# Altium PCB myfirst_project.PcbDoc (part 1 of 2) (continued)
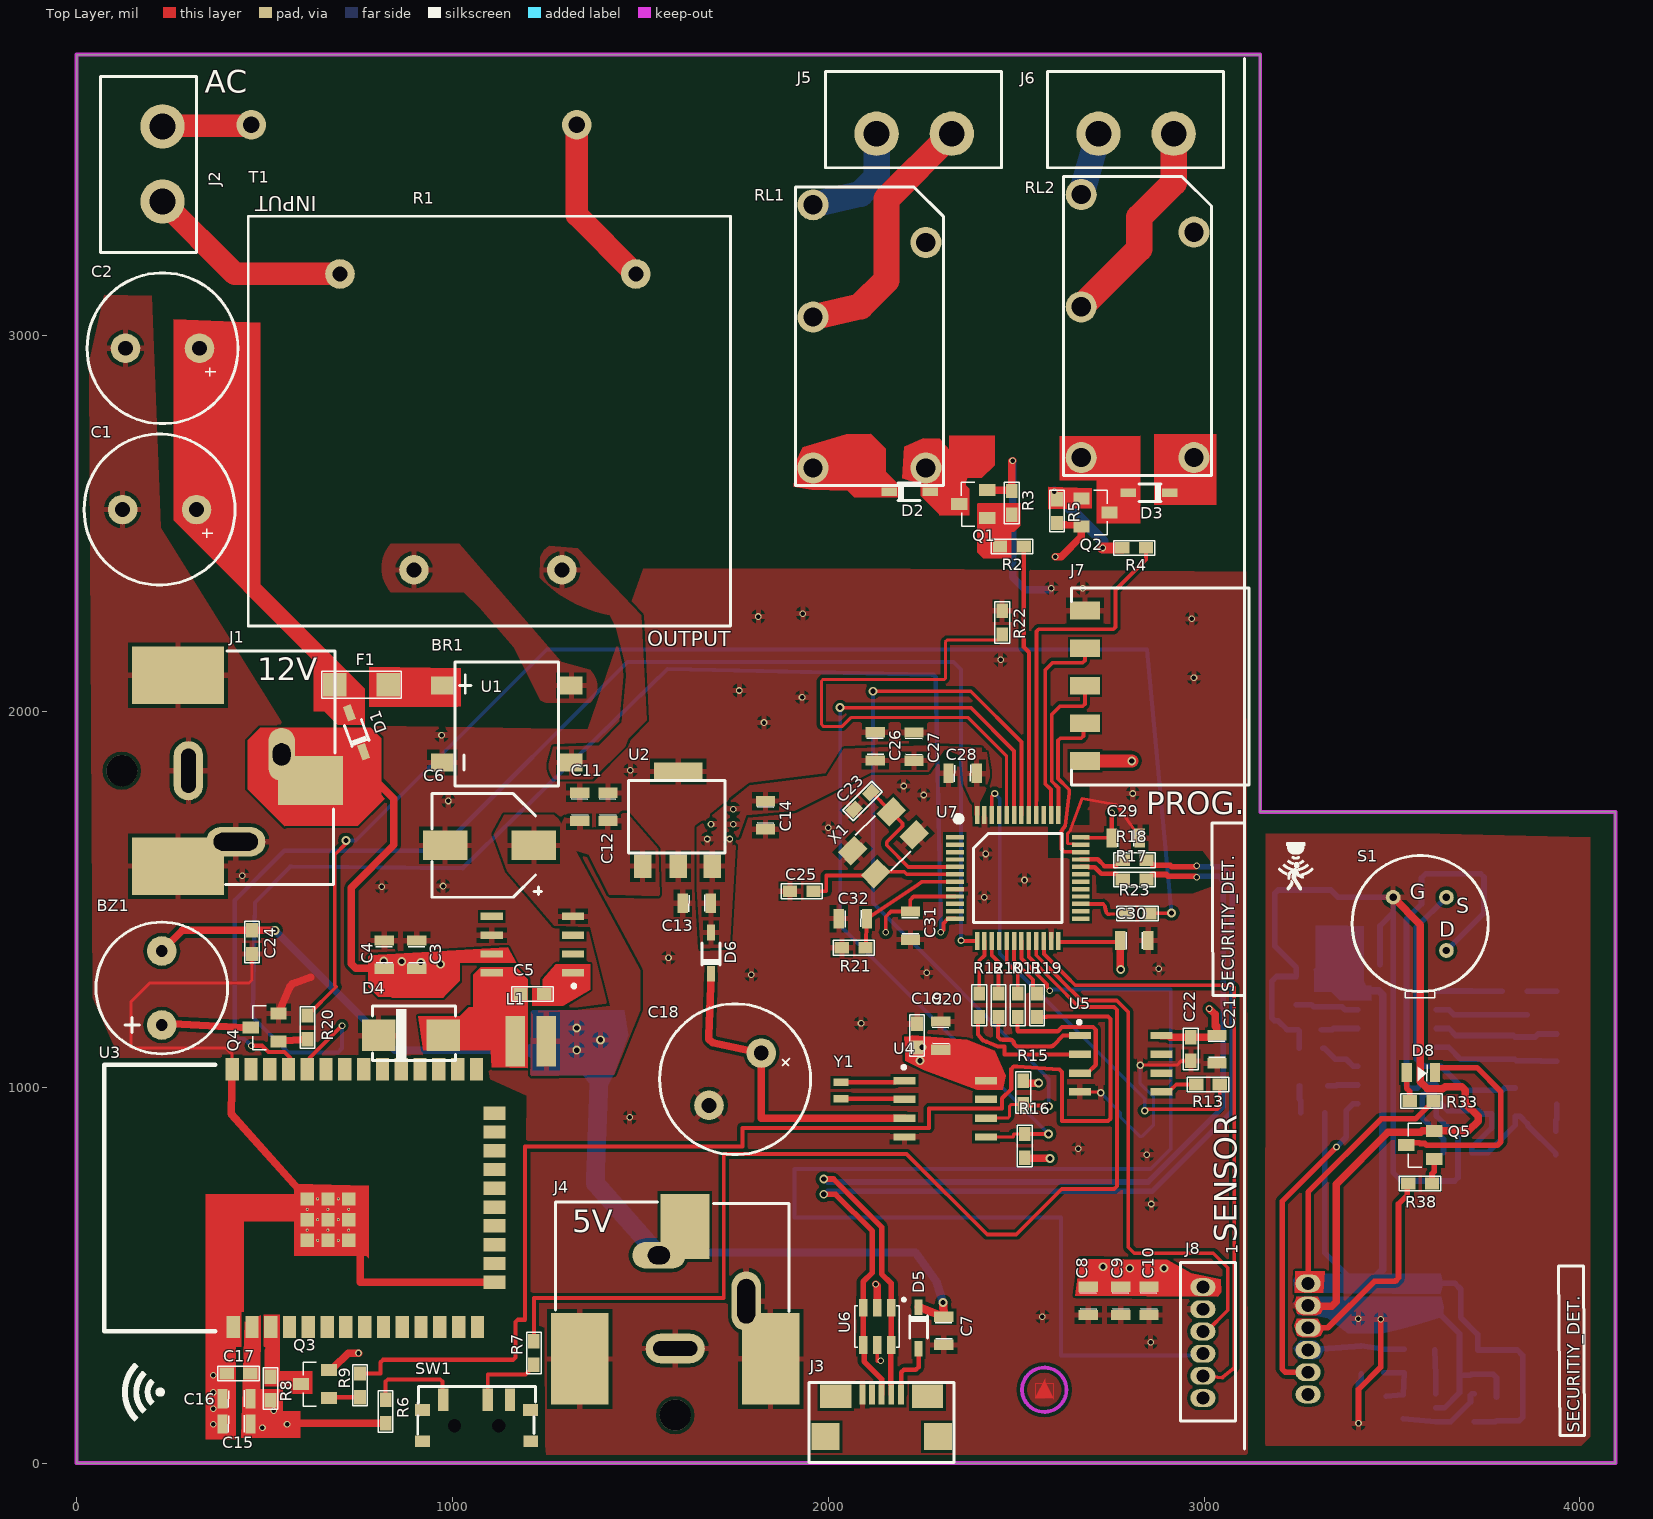
[diagram p0: Top Layer view]
## Components (designator, comment, footprint, x,y, rotation, side; value= is the part's Value field where it differs from the comment)
BR1 "DB105STR" DB105STR 1144.45,1966.34 r90 top
BZ1 "BUZZER" CMI-9605IC 226.72,1263.87 r180 top
C1 "ESH477M050AH4AA" CAP_RADIAL_D10_P5 220.82,2536.9 r90 top
C2 "ESH477M050AH4AA" CAP_RADIAL_D10_P5 228.69,2966.03 r90 top
C3 "CAP CER 1UF 0805" CAP_0805 905.17,1352.86 r270 top
C4 "CAP CF 100NF 0805" CAP_0805 818.55,1352.86 r270 top
C5 "CAP CER 10nF 0603" CAP_0603 1212.6,1248.03 r180 top
C6 "EEV686M035A9HAA" CAP_EEVSERIES 1098.77,1643.2 r180 top
C7 "CAP CER 4.7uF 0805" CAP_0805 2307.43,351.86 r270 top
C8 "CAP CER 4.7uF 0805" CAP_0805 2691.76,431.35 r270 top
C9 "CAP CER 4.7uF 0805" CAP_0805 2778.37,431.35 r270 top
C10 "CAP CER 4.7uF 0805" CAP_0805 2853.18,431.35 r270 top
C11 "CAP CER 1UF 0805" CAP_0805 1338.93,1745.56 r270 top
C12 "CAP CF 100NF 0805" CAP_0805 1413.73,1745.56 r270 top
C13 "CAP CER 1UF 0805" CAP_0805 1650.37,1489.5 r0 top
C14 "CAP CER 4.7uF 0805" CAP_0805 1833.08,1723.85 r90 top
C15 "CAP CER 4.7uF 0805" CAP_0805 425.54,103.83 r180 top
C16 "CAP CER 1UF 0805" CAP_0805 425.54,170.75 r180 top
C17 "CAP CER 100nF 0603" CAP_0603 430.96,238.32 r180 top
C18 "ESH477M050AH4AA" CAP_RADIAL_D10_P5 1752.31,1021.15 r135 top
C19 "CAP CER 100nF 0603" CAP_0603 2236.35,1137.2 r90 top
C20 "CAP CER 1UF 0805" CAP_0805 2299.35,1137.2 r90 top
C21 "CAP CER 1UF 0805" CAP_0805 3034.13,1100.87 r270 top
C22 "CAP CER 100nF 0603" CAP_0603 2964.76,1101.54 r270 top
C23 "CL10C200JB8NNNC" CAP_0603 2091.26,1761.58 r45 top
C24 "CAP CER 100nF 0603" CAP_0603 466.88,1385.92 r270 top
C25 "CL10C200JB8NNNC" CAP_0603 1929.48,1521.15 r0 top
C26 "CAP CER 4.7uF 0805" CAP_0805 2125.02,1906.56 r90 top
C27 "CAP CER 1UF 0805" CAP_0805 2228.07,1906.28 r90 top
C28 "CAP CF 100NF 0805" CAP_0805 2357.38,1835.06 r180 top
C29 "CAP CF 100NF 0805" CAP_0805 2791.68,1662.88 r0 top
C30 "CAP CER 1UF 0805" CAP_0805 2814.16,1390.2 r0 top
C31 "CAP CF 100NF 0805" CAP_0805 2218.54,1430.12 r270 top
C32 "CAP CF 100NF 0805" CAP_0805 2065.83,1448.37 r0 top
C33 "CAP CF 100NF 0805" CAP_0805 3430.63,1326.42 r0 bottom
C34 "CAP CER 1UF 0805" CAP_0805 3430.63,1393.35 r0 bottom
C35 "CAP CER 10nF 0603" CAP_0603 3737.72,1224.06 r90 bottom
C36 "C3216X5R1E336M160AC" CAP_1206 3938.51,1141.38 r90 bottom
C37 "CAP CF 100NF 0805" CAP_0805 3245.12,1257.14 r90 bottom
C38 "CAP CER 4.7uF 0805" CAP_0805 3438.23,440.44 r270 bottom
C39 "CAP CER 4.7uF 0805" CAP_0805 3516.97,440.44 r270 bottom
C40 "CAP CER 4.7uF 0805" CAP_0805 3595.71,440.44 r270 bottom
C41 "CAP CER 10nF 0603" CAP_0603 3796.77,1105.95 r270 bottom
C42 "C3216X5R1E336M160AC" CAP_1206 3938.58,1069.11 r270 bottom
C43 "CAP CF 100NF 0805" CAP_0805 3674.46,826.3 r0 bottom
C44 "CAP CF 100NF 0805" CAP_0805 3828.27,960.28 r270 bottom
C45 "CAP CER 100nF 0603" CAP_0603 3778.16,144.21 r90 bottom
C46 "CAP CER 1UF 0805" CAP_0805 3418.42,274.03 r270 bottom
C47 "CAP CER 4.7uF 0805" CAP_0805 3447.41,177.3 r180 bottom
D1 "1N4148WS" SOD323 744.75,1944.29 r110 top
D2 "1N4148WS" SOD323 2216.88,2584.14 r0 top
D3 "1N4148WS" SOD323 2853.88,2581.8 r180 top
D4 "1SMB5919BT3G" SMB 889.76,1137.79 r0 top
D5 "1N4148WS" SOD323 2240.5,359.73 r270 top
D6 "1N4148WS" SOD323 1688.1,1356.44 r90 top
D7 "LTST-C171GKT" "LED_GREEN_0805 -" 3289.4,1007.93 r180 bottom
D8 "LTST-C171GKT" "LED_GREEN_0805 -" 3575.08,1035.09 r180 top
F1 "FUSE 3413.0216.22" "FUSE 3413.0216.22" 758,2070.9 r180 top
J1 "PJ-037AH-SMT-TR" JACK 297.59,1842.01 r0 top
J2 "'TBP01R1-508-02BE" 'TBP01R1-508 228.69,3456.58 r270 top
J3 "10118192-0001LF" MICRO_B_USB 2142.07,182.57 r0 top
J4 "PJ-037AH-SMT-TR" JACK 1592.86,304.61 r90 top
J5 "'TBP01R1-508-02BE" 'TBP01R1-508 2228.69,3536.9 r180 top
J6 "'TBP01R1-508-02BE" 'TBP01R1-508 2819.24,3536.9 r180 top
J7 "'SMH-105-02-L-S" "PINHEADER 1X5_RA" 2683.09,2068.13 r90 top
J8 "64800611622" 64800611622 2996.87,320.42 r270 top
J9 "64800611622" 64800611622 3276.81,330.2 r270 bottom
L1 "78438335470" IND_1212 1208.66,1122.04 r0 top
Q1 "MMBT3904-7-F" SOT-23F 2386.17,2551.41 r90 top
Q2 "MMBT3904-7-F" SOT-23F 2710.95,2528.83 r270 top
Q3 "MMBT3904-7-F" SOT-23F 634.2,210.12 r90 top
Q4 "MMBT3904-7-F" SOT-23F 500.34,1158.94 r90 top
Q5 "MMBT3904-7-F" SOT-23F 3575.08,846.11 r90 top
R1 "RES_AXIAL_W" RES_AXIAL_W 897.98,3560.52 r0 top
R2 "RES_1KOHM" RES_0603 2488.46,2438.81 r180 top
R3 "RES 10KOHM%1 0603" RES_0603 2488.53,2554.61 r90 top
R4 "RES_1KOHM" RES_0603 2814.16,2434.84 r180 top
R5 "RES 10KOHM%1 0603" RES_0603 2608.59,2532.77 r270 top
R6 "RES_100OHM_0603" RES_0603 822.2,137.03 r270 top
R7 "RES_100OHM_0603" RES_0603 1216.88,292.8 r270 top
R8 "RES_1KOHM" RES_0603 516.09,198.31 r90 top
R9 "RES_100OHM_0603" RES_0603 754.02,206.82 r270 top
R10 "RES_100OHM_0603" RES_0603 2453.1,1218 r90 top
R11 "RES_100OHM_0603" RES_0603 2504.28,1218 r90 top
R12 "RES_100OHM_0603" RES_0603 2401.92,1218 r90 top
R13 "RES_100OHM_0603" RES_0603 3010.48,1007.28 r0 top
R15 "RES_4.7KOHM 0603" RES_0603 2518.88,985.72 r90 top
R16 "RES_4.7KOHM 0603" RES_0603 2522.82,843.98 r270 top
R17 "RES 15 OHM 0603" RES_0603 2815.3,1552.64 r0 top
R18 "RES 15 OHM 0603" RES_0603 2815.3,1603.83 r0 top
R19 "RES_100OHM_0603" RES_0603 2555.46,1218 r270 top
R20 "RES_100OHM_0603" RES_0603 614.52,1158.94 r270 top
R21 "RES_100OHM_0603" RES_0603 2067.82,1370.92 r0 top
R22 "RES_100OHM_0603" RES_0603 2462.64,2236.24 r270 top
R23 "RES_100OHM_0603" RES_0603 2823.18,1462.09 r0 top
R24 "RC0402JR-0710KL" RES_0603 3792.84,1224.06 r90 bottom
R25 "RC0603JR-07220KL" RES_0603 3316.62,1245.22 r270 bottom
R26 "RES 10KOHM%1 0603" RES_0603 3859.77,1224.06 r270 bottom
R27 "RES_1KOHM" RES_0603 3289.24,931.66 r180 bottom
R28 "RC0402JR-0710KL" RES_0603 3855.83,1102.01 r270 bottom
R29 "RES 0OHM 0603" RES_0603 3281.03,1153.2 r180 bottom
R30 "RES 0OHM 0603" RES_0603 3284.96,1103.98 r180 bottom
R31 "RES 10KOHM%1 0603" RES_0603 3936.2,851.31 r270 bottom
R32 "RC0603JR-0743KL" RES_0603 3765.28,960.28 r270 bottom
R33 "RES_100OHM_0603" RES_0603 3578.77,963.21 r180 top
R34 "RC0603JR-07220KL" RES_0603 3532.38,270.8 r90 bottom
R35 "RES_1KOHM" RES_0603 3529.7,149.67 r90 bottom
R36 "RC0603JR-07220KL" RES_0603 3478.86,271.26 r90 bottom
R37 "RES 10KOHM%1 0603" RES_0603 3648.33,233.38 r0 bottom
R38 "RES_1KOHM" RES_0603 3575.08,743.75 r0 top
RL1 "ALQ112" ALQ112 2109.72,2997.76 r90 top
RL2 "ALQ112" ALQ112 2823.18,3025.09 r90 top
RT1 "TFPT1206L1002FM" RES_1206 3670.95,300.74 r180 bottom
S1 "LHI 878/3902" "LHI 878/3902" 3575.08,1435.2 r0 top
SW1 "EG1215AA" EG1215AA 1064.5,99.3 r0 top
T1 "BV302S12010-ZU" BV302S12010-ZU 1094.52,2770.09 r0 top
U1 "LM2675MX-12/NOPB" SOIC8 1212.94,1379.42 r90 top
U2 "AP7361-33E-13" SOT-223 1598.77,1714.06 r0 top
U3 "ESP32-WROOM-32E-N4" ESP32-32E 762.89,704.92 r90 top
U4 "M41T00M6F" SOIC8 2311.37,942.41 r270 top
U5 "MAX662MSA+" SOIC8 2778.2,1062.4 r270 top
U6 "USBLC6-2SC6" SOT-23-6L 2130.26,363.67 r270 top
U7 "STM32F103C6T6A" LQFP_48 2504.28,1556.58 r270 top
U8 "NCS36000DRG" SOIC14 3513.31,1105.95 r180 bottom
U9 "OPA314AIDBVR" SOT23_5 3668.01,146.77 r0 bottom
X1 "ECS-160-20-30B-TR" ECS 2146.87,1650.37 r45 top
Y1 "ABS05-32.768KHZ-T" ABS05 2033.66,991.01 r90 top

## Footprints (in the part's own frame and the unit in brackets; to place one, negate y for a bottom-side part, rotate by r counter-clockwise, add the part's x,y. Pads: shape width x height; smd on the part's side, far side on the other; paste and mask are expansions set on the pad)
64800611622 [mm]
  oval 1.2x1.7 hole 0.87 mask+0.05: 1(-3.75,0) 2(-2.25,0) 3(-0.75,0) 4(0.75,0) 5(2.25,0) 6(3.75,0)
  silkscreen extent -5.4,-1.5 5.3,2.2, body extent -5.3,-1.4 5.2,2.1, height 4.55
'TBP01R1-508 [mm]
  round 3 hole 1.75 mask+0.05: 1(2.54,0) 2(-2.54,0)
  silkscreen extent -5.9,-4.2 6,2.3, body extent -5.84,-9.8 5.92,2.2, height 8.8
ABS05 [mm]
  rect 0.5x1 smd mask+0.05: 1(-0.55,0) 2(0.55,0)
  body extent -0.81,-0.47 0.79,0.53, height 0.5
ALQ112 [mm]
  round 2.1 hole 1.3 mask+0.05: 1(6.35,-3.81) 2(1.3,3.81) 3(8.89,3.81) 4(-8.89,-3.81) 5(-8.89,3.81)
  silkscreen extent -10.09,-4.99 10.1,5.01, body extent -10,-5 10,11.81, height 15.6
BV302S12010-ZU [mm]
  round 2 hole 1 mask+0.05: 1(10,10) 5(-10,10) 7(-5,-10) 9(5,-10)
  silkscreen extent -16.2,-13.8 16.4,13.9, body extent -16.15,-13.75 16.35,13.75, height 21.8
CAP_0603 [mil]
  rect 38x31 smd mask+1.97: 1(-31.5,0) 2(31.5,0)
  silkscreen extent -55,-20 55,20, body extent -41,-22 41,18, height 31
CAP_0805 [mm]
  rect 0.7x1.3 smd mask+0.05: 1(-0.95,0) 2(0.95,0)
  silkscreen extent -0.54,-0.57 0.55,0.57, body extent -1.3,-0.58 1.3,0.78, height 0.9
CAP_1206 [mm]
  rect 0.9x1.6 smd mask+0.05: 1(0,0) 2(2.9,0)
  silkscreen extent 0.59,-0.7 2.3,0.8, body extent -0.53,-0.87 3.42,1.09, height 1.3
CAP_EEVSERIES [mm]
  rect 3x2 smd mask+0.05: 1(-3,0) 2(3,0)
  silkscreen extent -3.5,-3.5 3.9,3.5, body extent -3.6,-3.4 4,3.4, height 8.01
CAP_RADIAL_D10_P5 [mm]
  round 2 hole 1 mask+0.05: 1(0,-2.5) 2(0,2.5)
  silkscreen extent -5.1,-5.1 5.1,5.1, body extent -5.25,-5.25 5.25,5.25, height 22.21
CMI-9605IC [mm]
  round 2 hole 0.8 mask+0.05: 1(0,2.5) 2(0,-2.5)
  silkscreen extent -4.45,-4.45 4.45,4.45, body extent -4.3,-4.3 4.3,4.3, height 5.2
DB105STR [mm]
  rect 1.2x1.52 smd mask+0.05: 1(-2.61,-4.37) 2(2.61,-4.37) 3(2.61,4.37) 4(-2.61,4.37)
  silkscreen extent -4.2,-3.5 4.2,3.5, body extent -4.16,-5.2 4.16,5.2, height 2.66
ECS [mm]
  rect 1.6x1.25 smd mask+0.05: 1(-1.85,-1.1) 2(1.85,-1.1) 3(1.85,1.1) 4(-1.85,1.1)
  silkscreen extent -1,-1.7 0.9,1.7, body extent -2.5,-1.6 2.5,1.6, height 0.85
EG1215AA [mm]
  rect 0.7x1.5 smd mask+0.05: 1(-2.25,1.75) 2(0.75,1.75) 3(2.25,1.75)
  rect 1x0.8 smd mask+0.05: ""(-3.65,-1.05) ""(-3.65,1.05) ""(3.63,1.05) ""(3.65,-1.05)
  round 0 hole 0.9 mask+0.05: ""(-1.5,0) ""(1.5,0)
  silkscreen extent -3.98,-0.56 3.98,2.64, body extent -3.88,-2.71 3.82,2.19, height 1.4
ESP32-32E [mm]
  rect 1.5x0.9 smd mask+0.05: 1(-8.71,8.796) 2(-8.71,7.526) 3(-8.71,6.256) 4(-8.71,4.986) 5(-8.71,3.716) 6(-8.71,2.446) 7(-8.71,1.176) 8(-8.71,-0.094) 9(-8.71,-1.364) 10(-8.71,-2.634) 11(-8.71,-3.904) 12(-8.71,-5.174) 13(-8.71,-6.444) 14(-8.71,-7.714) 25(8.71,-7.645) 26(8.71,-6.375) 27(8.71,-5.105) 28(8.71,-3.835) 29(8.71,-2.565) 30(8.71,-1.295) 31(8.71,-0.025) 32(8.71,1.245) 33(8.71,2.515) 34(8.71,3.785) 35(8.71,5.055) 36(8.71,6.325) 37(8.71,7.595) 38(8.71,8.865)
  rect 0.9x1.5 smd mask+0.05: 15(-5.689,-8.864) 15(-5.689,-8.864) 16(-4.419,-8.864) 17(-3.149,-8.864) 18(-1.879,-8.864) 19(-0.609,-8.864) 20(0.661,-8.864) 21(1.931,-8.864) 22(3.201,-8.864) 23(4.471,-8.864) 24(5.741,-8.864)
  round 0.2 hole 0.1 mask+0.05: 39(-2.86,3.09) 39(-2.86,1.69) 39(-2.16,3.79) 39(-2.16,0.99) 39(-2.16,2.39) 39(-1.46,1.69) 39(-1.46,3.09) 39(-0.76,3.79) 39(-0.76,2.39) 39(-0.76,0.99) 39(-0.06,3.09) 39(-0.06,1.69)
  rect 0.9x0.9 smd mask+0.05: 39(-2.86,3.79) 39(-2.86,3.79) 39(-2.86,0.99) 39(-2.86,2.39) 39(-2.86,2.39) 39(-2.86,2.39) 39(-1.46,2.39) 39(-1.46,2.39) 39(-1.46,2.39) 39(-1.46,3.79) 39(-1.46,3.79) 39(-1.46,0.99) 39(-0.06,3.79) 39(-0.06,3.79) 39(-0.06,2.39) 39(-0.06,2.39) 39(-0.06,2.39) 39(-0.06,0.99)
  silkscreen extent -9,10 9,17.5, body extent -9,-9.17 9,16.33, height 3.45
"FUSE 3413.0216.22" [mm]
  rect 1.6x1.6 smd mask+0.05: 1(-1.8,0) 2(1.8,0)
  silkscreen extent -2.7,-0.9 2.7,0.9, body extent -1.52,-0.8 1.7,0.8, height 0.64
IND_1212 [mm]
  rect 1.3x3.4 smd mask+0.05: 1(-1.05,0) 2(1.05,0)
  body extent -1.5,-1.5 1.5,1.5, height 1.2
JACK [mm]
  oval 1.8x3.6 hole 1.2 slot 1.5 at 90 deg: 1(6.3,1.1)
  rect 4.4x3.3 smd: 1(8.25,-0.65)
  rect 6.2x3.9 smd: 2(-0.7,6.45) 3(-0.7,-6.45)
  oval 2x4 hole 1 slot 3 at 90 deg: 2(0,0)
  oval 4x2 hole 1.2 slot 3 at 0 deg: 3(3.2,-4.8)
  round 2.1 hole 2.1 unplated: ""(-4.5,0)
  silkscreen extent 2.5,-7.7 9.9,8.1, body extent -7.5,-7.5 9.6,7.7, height 11.2
"LED_GREEN_0805 -" [mm]
  rect 0.7x1.3 smd mask+0.05: 1(-1,-0.1) 2(0.9,-0.1)
  silkscreen extent -0.46,-0.62 0.15,0.5, body extent -1.08,-0.71 0.94,0.54, height 1.1
"LHI 878/3902" [mm]
  round 1 hole 0.5 mask+0.05: 1(1.771,-1.818) 2(1.771,1.782) 3(-1.829,1.782)
  silkscreen extent -4.6,-5 4.6,4.6, body extent -4.6,-5.03 4.6,4.6, height 4.6
LQFP_48 [mm] "7mm x7mm"
  rect 0.3x1.2 smd mask+0.05: 1(-2.75,-4.25) 2(-2.25,-4.25) 3(-1.75,-4.25) 4(-1.25,-4.25) 5(-0.75,-4.25) 6(-0.25,-4.25) 7(0.25,-4.25) 8(0.75,-4.25) 9(1.25,-4.25) 10(1.75,-4.25) 11(2.25,-4.25) 12(2.75,-4.25) 25(2.75,4.25) 26(2.25,4.25) 27(1.75,4.25) 28(1.25,4.25) 29(0.75,4.25) 30(0.25,4.25) 31(-0.25,4.25) 32(-0.75,4.25) 33(-1.25,4.25) 34(-1.75,4.25) 35(-2.25,4.25) 36(-2.75,4.25)
  rect 1.2x0.3 smd mask+0.05: 13(4.25,-2.75) 14(4.25,-2.25) 15(4.25,-1.75) 16(4.25,-1.25) 17(4.25,-0.75) 18(4.25,-0.25) 19(4.25,0.25) 20(4.25,0.75) 21(4.25,1.25) 22(4.25,1.75) 23(4.25,2.25) 24(4.25,2.75) 37(-4.25,2.75) 38(-4.25,2.25) 39(-4.25,1.75) 40(-4.25,1.25) 41(-4.25,0.75) 42(-4.25,0.25) 43(-4.25,-0.25) 44(-4.25,-0.75) 45(-4.25,-1.25) 46(-4.25,-1.75) 47(-4.25,-2.25) 47(-4.25,-2.25) 48(-4.25,-2.75)
  silkscreen extent -4.2,-4.2 3,3, body extent -4.45,-4.45 4.55,4.55, height 1.5
MICRO_B_USB [mm]
  rect 0.4x1.35 smd mask+0.05: 1(1.3,0) 2(0.65,0) 3(0,0) 4(-0.65,0) 5(-1.3,0)
  rect 1.9x1.8 smd mask+0.05: ""(-3.8,-2.85) ""(3.8,-2.85)
  rect 2.1x1.6 smd mask+0.05: ""(-3.1,-0.125) ""(3.1,-0.125)
  silkscreen extent -4.9,-4.6 4.9,0.8, body extent -3.96,-5.4 3.96,0.26, height 2.76
"PINHEADER 1X5_RA" [mm]
  rect 1.2x2 smd mask+0.05: 1(-5.08,0) 2(-2.54,0) 3(0,0) 4(2.54,0) 5(5.08,0)
  silkscreen extent -6.7,-11.1 6.6,0.9, body extent -6.6,-11.05 6.6,0.89, height 2.41
RES_0603 [mil]
  rect 38x31 smd mask+1.97: 1(-31.5,0) 2(31.5,0)
  silkscreen extent -55,-20 55,20, body extent -39,-20 39,19, height 17
RES_1206 [mm]
  rect 0.9x1.6 smd mask+0.05: 1(-1.45,0) 2(1.45,0)
  silkscreen extent -0.9,-0.8 0.8,0.8, body extent -1.98,-0.94 1.98,0.94, height 0.55
RES_AXIAL_W [mm]
  round 2 hole 1.1 mask+0.05: 1(-11,0) 2(11,0)
  body extent -11.4,-4 11.4,5, height 5
SMB [mm]
  rect 2.25x2.12 smd mask+0.05: A(2.185,0) C(-2.185,0)
  silkscreen extent -2.6,-1.7 3,2, body extent -2.52,-1.66 2.92,1.9, height 2.44
SOD323 [mm]
  rect 1.05x0.55 smd mask+0.05: 1(-1.4,0) 2(1.4,0)
  silkscreen extent -0.8,-0.6 0.7,0.6, body extent -1.25,-0.62 1.25,0.62, height 1.1
SOIC8 [mm]
  rect 0.5x1.5 smd mask+0.05: 1(-1.905,-2.75) 2(-0.635,-2.75) 3(0.635,-2.75) 4(1.905,-2.75) 5(1.905,2.75) 6(0.635,2.75) 7(-0.635,2.75) 8(-1.905,2.75)
  silkscreen extent -2.9,-2.9 -2.7,-2.7, body extent -2.45,-3 2.45,3, height 1.75
SOIC14 [mm]
  rect 1.18x0.58 smd mask+0.05: 1(-2.66,3.81) 2(-2.66,2.54) 3(-2.66,1.27) 4(-2.66,0) 5(-2.66,-1.27) 6(-2.66,-2.54) 7(-2.66,-3.81) 8(2.66,-3.81) 9(2.66,-2.54) 10(2.66,-1.27) 11(2.66,0) 12(2.66,1.27) 13(2.66,2.54) 14(2.66,3.81)
  silkscreen extent -1.9,-4.3 1.9,4.3, body extent -3,-4.32 3.1,4.32, height 1.75
SOT23_5 [mm]
  rect 1.1x0.6 smd mask+0.05: 1(-1.3,0.95) 2(-1.3,0) 3(-1.3,-0.95) 4(1.3,-0.95) 5(1.3,0.95)
  silkscreen extent -0.7,-1.3 0.7,1.3, body extent -1.4,-1.45 1.4,1.45, height 1.45
SOT-23-6L [mm]
  rect 1.21x0.59 smd mask+0.05: 1(-1.255,0.95) 2(-1.255,0) 3(-1.255,-0.95) 4(1.255,-0.95) 5(1.255,0) 6(1.255,0.95)
  silkscreen extent -1.9,-1.5 1.4,1.9, body extent -1.4,-1.46 1.4,1.46, height 1.4
SOT-23F [mm]
  rect 0.8x1.1 smd mask+0.05: 1(-0.95,-0.945) 2(0.95,-0.945) 3(0,0.945)
  silkscreen extent -1.5,-0.1 1.48,0.81, body extent -1.45,-1.2 1.45,1.2, height 0.91
SOT-223 [mm]
  rect 1.2x1.6 smd mask+0.05: 1(-2.35,-3.2) 2(0.05,-3.2) 3(2.35,-3.2)
  rect 3.3x1.2 smd mask+0.05: 2(0.05,3.2)
  silkscreen extent -3.3,-2.3 3.2,2.6, body extent -3.35,-3.28 3.15,3.68, height 1.67

## Part data
BR1: "Bridge Rect 1PHASE 600V 1A Db-s", Case/package=DB195STR, Manufacturer="Sangdest Microelectronics", Manufacturer Part Number=DB105S, Maxımum Current=1A, Operating Voltage=600V, Supplier Part Number 1=1655-DB105SCT-ND, Category=Uncategorized, ComponentLink1Description=DATASHEET, ComponentLink1URL=https://www.digikey.com/en/products/detail/smc-diode-solutions/DB105S/7244776, Pricing 1="1=0.43000, 10=0.32600, 100=0.20330, 500=0.13910 (USD)", RoHS=No, Stock 1=26309, Supplier 1=Digi-Key, this part is design=alperen
BZ1: "Audio Buzzer Magnetic 3VDC 7VDC 30mA 5VDC 85dB 2600Hz to 2800Hz Through Hole Pin Box", Case/package=CMI-960, Manufacturer="CUI Devices", Manufacturer Part Number=CMI-9605IC-0580T, Supplier Part Number 1=2223-CMI-9605IC-0580T-ND, Category="Audio Products", Pricing 1="1=1.43000, 10=1.19000, 25=1.10160, 50=1.03700, 100=0.97450, 500=0.83848, 1000=0.78382, 5000=0.76810 (USD)", RoHS=No, Stock 1=8015, Supplier 1=Digi-Key, this part is design=alperen
C1 C2 C18: "Cap, 470UF, 50V, Alu Elec, Radial", Capacitance=470uF, Case/package=Radial, Manufacturer=KEMET, Max Operating Temperature=105°C, Min Operating Temperature=-40°C, Supplier Part Number 1=399-15683-ND, Tolerance=20%, Voltage Rating=50V, ComponentLink1Description=https://api.kemet.com/component-edge/download/datasheet/ESH477M050AH4AA.pdf?src-supplier=Digi-Key, ComponentLink1URL=https://api.kemet.com/component-edge/download/datasheet/ESH477M050AH4AA.pdf?src-supplier=Digi-Key, Life (Hours)=2000Hour, Manufacturer Part Number=ESH477M050AH4AA, Mount="Through Hole", Packaging=Bulk, Polarity=Polar, Pricing 1="1=0.73000, 10=0.51800, 50=0.39180, 100=0.34120, 500=0.25276, 1000=0.21485, 2500=0.20222, 5000=0.18958 (USD)", RoHS=Yes, RoHS Compliant=No, Supplier 1=Digi-Key, this part is design=alperen
C3 C11 C13 C16 C20 C21 C27 C30 C34 C46: "CAP CER 1UF 25V X5R 0805", Capacitance=1uF, Case Code (Imperial)=0805, Case Code (Metric)=2012, Dielectric=X5R, Manufacturer=Murata, Manufacturer Part Number=GRM216R61E105KA12D, Max Operating Temperature=85°C, Min Operating Temperature=-55°C, Package Quantity=1, Supplier Part Number 1=490-1700-1-ND, Tolerance=10%, Voltage=25V, Case/package=0805, Category="Ceramic Capacitors", ComponentLink1Description=https://datasheet.ciiva.com/5424/product-5424880.pdf?src-supplier=Mouser, ComponentLink1URL=https://datasheet.ciiva.com/5424/product-5424880.pdf?src-supplier=Mouser, ComponentLink2Description=https://datasheet.ciiva.com/3777/337grm216r61e105ka1223-3777289.pdf?src-supplier=Arrow+Electronics, ComponentLink2URL=https://datasheet.ciiva.com/3777/337grm216r61e105ka1223-3777289.pdf?src-supplier=Arrow+Electronics, ComponentLink3Description=https://datasheet.ciiva.com/11787/0900766b80ef921d-11787891.pdf?src-supplier=Rs, ComponentLink3URL=https://datasheet.ciiva.com/11787/0900766b80ef921d-11787891.pdf?src-supplier=Rs, ComponentLink4Description=https://datasheet.ciiva.com/7719/c02e-7719049.pdf?src-supplier=Element14, ComponentLink4URL=https://datasheet.ciiva.com/7719/c02e-7719049.pdf?src-supplier=Element14, ComponentLink5Description=https://datasheet.ciiva.com/22706/1889704-22706791.pdf?src-supplier=Element14, ComponentLink5URL=https://datasheet.ciiva.com/22706/1889704-22706791.pdf?src-supplier=Element14, ComponentLink6Description=https://datasheet.ciiva.com/138/partnumbering-e-01-138518.pdf?src-supplier=Digi-Key, ComponentLink6URL=https://datasheet.ciiva.com/138/partnumbering-e-01-138518.pdf?src-supplier=Digi-Key, ComponentLink7Description=https://datasheet.ciiva.com/138/partnumbering-e-01-138517.pdf?src-supplier=Digi-Key, ComponentLink7URL=https://datasheet.ciiva.com/138/partnumbering-e-01-138517.pdf?src-supplier=Digi-Key, ComponentLink8Description=https://datasheet.ciiva.com/138/partnumbering-e-01-138519.pdf?src-supplier=Digi-Key, ComponentLink8URL=https://datasheet.ciiva.com/138/partnumbering-e-01-138519.pdf?src-supplier=Digi-Key, ComponentLink9Description=https://datasheet.ciiva.com/2989/product-2989638.pdf?src-supplier=Avnet, ComponentLink9URL=https://datasheet.ciiva.com/2989/product-2989638.pdf?src-supplier=Avnet, Construction=Flat, Depth=1.25mm, Height=0.6mm, Lead Free="Lead Free", Length=2mm, Material=Ceramic, Mount="Surface Mount", Number of Pins=2, Packaging="Tape and Reel", Pricing 1="1=0.38000, 10=0.26600, 50=0.18640, 100=0.15970, 500=0.11980, 1000=0.10116 (USD)", Radiation Hardening=No, Reach SVHC Compliant=Yes, RoHS=Yes, RoHS Compliant=Yes, Series=GRM, Stock 1=601950, Supplier 1=Digi-Key, Termination=SMD/SMT, Thickness=0.028inch, this part is design=alperen, Voltage Rating=25V, Voltage Rating (DC)=25V, Width=1.25mm
C4 C12 C28 C29 C31 C32 C33 C37 C43 C44: "CAP CER 0.1UF 50V X7R 0805", Capacitance=100nF, Case Code (Imperial)=0805, Case Code (Metric)=2012, Dielectric=X7R, Manufacturer=Samsung, Manufacturer Part Number=CL21B104KBCNNNC, Max Operating Temperature=125°C, Min Operating Temperature=-55°C, Supplier Part Number 1=1276-1003-1-ND, Tolerance=10%, Voltage=50V, Case/package=0805, Category="Ceramic Capacitors", ComponentLink1Description=https://datasheet.ciiva.com/25710/cl21b104kbcnnnc-25710182.pdf?src-supplier=Digi-Key, ComponentLink1URL=https://datasheet.ciiva.com/25710/cl21b104kbcnnnc-25710182.pdf?src-supplier=Digi-Key, ComponentLink2Description=https://datasheet.ciiva.com/29199/454152-da-01-en-vs-kondensator-0805-29199814.pdf?src-supplier=Conrad, ComponentLink2URL=https://datasheet.ciiva.com/29199/454152-da-01-en-vs-kondensator-0805-29199814.pdf?src-supplier=Conrad, Construction=Flat, Contact Plating=Tin, Depth=1.25mm, Height=0.85mm, Lead Free="Lead Free", Length=2mm, Material=Ceramic, Mount="Surface Mount", Packaging="Tape and Reel", Pricing 1="1=0.10000, 10=0.04400, 50=0.02400, 100=0.01960, 500=0.01404, 1000=0.01103 (USD)", Radiation Hardening=No, RoHS=Yes, RoHS Compliant=Yes, Series=CL, Stock 1=3449370, Supplier 1=Digi-Key, Thickness=0.037inch, this part is design=alperen, Voltage Rating=50V, Voltage Rating (DC)=50V, Width=0.049inch
C5 C35 C41: "Multilayer Ceramic Capacitor, 0.01 F, 10%, X7R, 16 V, 0603 [1608 Metric] RoHS Compliant: Yes", Capacitance=10nF, Case Code (Imperial)=0603, Case Code (Metric)=1608, Dielectric=X7R, Manufacturer="Walsin Technologies", Manufacturer Part Number=0603B103K160CT, Max Operating Temperature=125°C, Min Operating Temperature=-55°C, Supplier Part Number 1=1292-1384-1-ND, Tolerance=10%, Voltage Rating=16V, Case/package=0603, Category="Ceramic Capacitors", ComponentLink1Description=http://www.farnell.com/datasheets/1958513.pdf?src-supplier=Farnell, ComponentLink1URL=http://www.farnell.com/datasheets/1958513.pdf?src-supplier=Farnell, ComponentLink2Description=http://www.farnell.com/datasheets/1958513.pdf?src-supplier=Element14, ComponentLink2URL=http://www.farnell.com/datasheets/1958513.pdf?src-supplier=Element14, ComponentLink3Description=http://www.passivecomponent.com/wp-content/uploads/2018/10/MLCC.pdf?src-supplier=Digi-Key, ComponentLink3URL=http://www.passivecomponent.com/wp-content/uploads/2018/10/MLCC.pdf?src-supplier=Digi-Key, Depth=0.8mm, Length=1.6mm, Packaging="Tape and Reel", Pricing 1="1=0.10000, 10=0.03300, 50=0.01820, 100=0.01480, 500=0.01060, 1000=0.00833 (USD)", RoHS=Yes, RoHS Compliant=Yes, Stock 1=152993, Supplier 1=Digi-Key, this part is design=alperen, Voltage Rating (DC)=16V
C6: library part "CAP ALU 68uF", "Cap Aluminum Lytic 68uF 35V 20% (6.3 X 7.7mm) SMD 280mA 2000h 105C T/R", Capacitance=68uF, Case/package=Radial, Manufacturer=KEMET, Max Operating Temperature=105°C, Min Operating Temperature=-40°C, Package Quantity=1, Ripple Current=196mA, Supplier Part Number 1=399-6722-1-ND, Tolerance=20%, Voltage Rating=35V, Category="Aluminum Electrolytic Capacitors", ComponentLink1Description=https://datasheet.ciiva.com/5365/kem-a4002-eev-535332-5365784.pdf?src-supplier=Mouser, ComponentLink1URL=https://datasheet.ciiva.com/5365/kem-a4002-eev-535332-5365784.pdf?src-supplier=Mouser, Height - Seated (Max)=0.315inch, Impedance=340mR, Length=7.7mm, Life (Hours)=2000Hour, Manufacturer Part Number=EEV686M035A9HAA, Mount="Surface Mount", Packaging="Tape and Reel", Pricing 1="1=0.67000, 10=0.47200, 50=0.35680, 100=0.31080, 500=0.23024 (USD)", RoHS=Yes, RoHS Compliant=Yes, Series=EEV, Stock 1=4857, Supplier 1=Digi-Key, Termination=SMD/SMT, this part is designed=alperen, Voltage Rating (DC)=35V
C7 C8 C9 C10 C14 C15 C26 C38 C39 C40 C47: "CAP CER 4.7UF 25V X5R 0805", Capacitance=4.7uF, Case Code (Imperial)=0805, Case Code (Metric)=2012, Dielectric=X5R, Manufacturer=Samsung, Manufacturer Part Number=CL21A475KAQNNNE, Max Operating Temperature=85°C, Min Operating Temperature=-55°C, Package Quantity=1, Supplier Part Number 1=1276-1244-6-ND, Tolerance=10%, Voltage Rating=25V, Case/package=0805, Category="Ceramic Capacitors", ComponentLink1Description=https://datasheet.ciiva.com/25798/cl21a475kaqnnne-25798882.pdf?src-supplier=Digi-Key, ComponentLink1URL=https://datasheet.ciiva.com/25798/cl21a475kaqnnne-25798882.pdf?src-supplier=Digi-Key, Construction=Flat, Depth=1.25mm, Height=1.25mm, Lead Free="Lead Free", Length=2mm, Mount="Surface Mount", Packaging="Tape and Reel", Pricing 1="1=0.10000, 10=0.07300, 50=0.04140, 100=0.03440, 500=0.02408, 1000=0.01994 (USD)", Radiation Hardening=No, RoHS=Yes, RoHS Compliant=Yes, Series=CL, Stock 1=4696474, Supplier 1=Digi-Key, Thickness=0.055inch, this part is design=alperen, Voltage Rating (DC)=25V, Width=0.049inch
C17 C19 C22 C24 C45: "Multilayer Ceramic Capacitor, 0.1 uF, 10 V, ± 10%, X5R, 0402 [1005 Metric] %10", Capacitance=100nF, Case Code (Imperial)=0402, Case Code (Metric)=1005, Dielectric=X5R, Dielectric Material=Ceramic, Manufacturer=KEMET, Manufacturer Part Number=C0402C104K8PACTU, Max Operating Temperature=85°C, Min Operating Temperature=-55°C, Package Quantity=10000, Supplier Part Number 1=399-C0402C104K8PAC7867TR-ND, Tolerance=10%, Voltage=10V, Case/package=0402, Category="Ceramic Capacitors", Construction=Flat, Contact Plating=Tin,Matte, Depth=0.5mm, Dissipation Factor=5%, Height=0.5mm, Lead Free="Lead Free", Lead Pitch=0.3mm, Length=1mm, Mount="Surface Mount,PCB", Number of Pins=2, Packaging="Tape and Reel", Pricing 1="10000=0.00702, 20000=0.00669, 30000=0.00635, 50000=0.00568, 100000=0.00460 (USD)", Radiation Hardening=No, Reach SVHC Compliant=Yes, RoHS=Yes, RoHS Compliant=Yes, Series="SMD Comm X5R", Stock 1=2730000, Supplier 1=Digi-Key, Termination=SMD/SMT, Thickness=0.022inch, this part is design=alperen, Voltage Rating=10V, Voltage Rating (DC)=10V, Width=0.5mm
C23 C25: library part "CAP CER 20pF 0603", "CAP CER 20PF 50V C0G/NP0 0603", Capacitance=20pF, Case Code (Imperial)=0603, Case Code (Metric)=1608, Dielectric=C0G, Manufacturer=Samsung, Max Operating Temperature=125°C, Min Operating Temperature=-55°C, Package Quantity=1, Supplier Part Number 1=1276-1187-1-ND, Temperature Coefficient=300ppm/°C, Tolerance=5%, Voltage=50V, Case/package=0603, Category="Ceramic Capacitors", ComponentLink1Description=https://datasheet.ciiva.com/26877/getdatasheetpartid-640634-26877974.pdf?src-supplier=Verical, ComponentLink1URL=https://datasheet.ciiva.com/26877/getdatasheetpartid-640634-26877974.pdf?src-supplier=Verical, ComponentLink2Description=https://datasheet.ciiva.com/26310/mlcc-catalogdownload2013-eng-26310315.pdf?src-supplier=Distrelec, ComponentLink2URL=https://datasheet.ciiva.com/26310/mlcc-catalogdownload2013-eng-26310315.pdf?src-supplier=Distrelec, Construction=Flat, Depth=0.8mm, Height=0.8mm, Length=1.6mm, Manufacturer Part Number=CL10C200JB8NNNC, Mount="Surface Mount", Packaging="Tape and Reel", Pricing 1="1=0.10000, 10=0.04400, 50=0.02380, 100=0.01940, 500=0.01386, 1000=0.01089 (USD)", Radiation Hardening=No, RoHS=Yes, RoHS Compliant=Yes, Series=CL, Stock 1=512055, Supplier 1=Digi-Key, Thickness=0.035inch, this part is designed=alperen, Voltage Rating=50V, Width=0.031inch
C36 C42: library part "CAP CER 33uF 1206", "C Series 1206 33 uF 25 V ±20 % Tolerance X5R SMT Multilayer Ceramic Capacitor", Capacitance=33uF, Case Code (Imperial)=1206, Case Code (Metric)=3216, Dielectric=X5R, Dielectric Material=Ceramic, Manufacturer=TDK, Max Operating Temperature=85°C, Min Operating Temperature=-55°C, Package Quantity=1, Supplier Part Number 1=445-8046-1-ND, Tolerance=20%, Voltage Rating=25V, Case/package=1206, Category="Ceramic Capacitors", ComponentLink1Description=https://datasheet.ciiva.com/24216/c3216x5r1e336m160ac-265051-24216512.pdf?src-supplier=Mouser, ComponentLink1URL=https://datasheet.ciiva.com/24216/c3216x5r1e336m160ac-265051-24216512.pdf?src-supplier=Mouser, ComponentLink2Description=https://datasheet.ciiva.com/6285/tdkmlcccaprange-6285278.pdf?src-supplier=Digi-Key, ComponentLink2URL=https://datasheet.ciiva.com/6285/tdkmlcccaprange-6285278.pdf?src-supplier=Digi-Key, Depth=1.6mm, Lead Free="Lead Free", Length=3.2mm, Manufacturer Part Number=C3216X5R1E336M160AC, Mount="Surface Mount", Packaging="Tape and Reel", Pricing 1="1=0.96000, 10=0.75800, 50=0.65640, 100=0.56810, 500=0.42924, 1000=0.37875 (USD)", Reach SVHC Compliant=Yes, Resistor Type=Ceramic, RoHS=Yes, RoHS Compliant=Yes, Series=C, Stock 1=438143, Supplier 1=Digi-Key, Termination=SMD/SMT, Thickness=1.6mm, this part is designed=alperen, Voltage Rating (DC)=25V, Weight=0.000571oz, Width=0.063inch
D1 D2 D3 D5 D6: "VR=75V IF=150mA Trr=4ns P=200mW", Average Rectified Current=150mA, Forward Voltage=1V, Manufacturer="ON Semiconductor / Fairchild", Max Forward Surge Current (Ifsm)=2A, Max Operating Temperature=150°C, Max Repetitive Reverse Voltage (Vrrm)=75V, Max Reverse Current=5uA, Min Operating Temperature=-55°C, Package Quantity=1, Power Dissipation=200mW, Supplier Part Number 1=1N4148WSFSCT-ND, Category="Rectifier Diodes", ComponentLink1Description=https://datasheet.ciiva.com/15208/getdatasheetpartid-127819-15208358.pdf?src-supplier=Verical, ComponentLink1URL=https://datasheet.ciiva.com/15208/getdatasheetpartid-127819-15208358.pdf?src-supplier=Verical, ComponentLink2Description=https://datasheet.ciiva.com/8300/1n914bws-8300360.pdf?src-supplier=Avnet, ComponentLink2URL=https://datasheet.ciiva.com/8300/1n914bws-8300360.pdf?src-supplier=Avnet, Contact Plating=Tin,Matte, Element Configuration=Single, Forward Current=150mA, Height=1mm, Lead Free="Lead Free", Length=1.8mm, Manufacturer Part Number=1N4148WS, Max Reverse Voltage (DC)=75V, Mount="Surface Mount", Number of Pins=2, Packaging="Tape and Reel", Pricing 1="1=0.21000, 10=0.19200, 100=0.10460, 500=0.06436, 1000=0.04388 (USD)", Radiation Hardening=No, Reach SVHC Compliant=Yes, Recovery Time=4ns, Reverse Recovery Time=4ns, Reverse Voltage=75V, RoHS=Yes, RoHS Compliant=Yes, Series=-, Stock 1=878888, Supplier 1=Digi-Key, this part is design=alperen, Weight=0.0276g, Width=1.35mm